# KiCad board ergodonk_simple_zero.kicad_pcb
title: Ergodonk Zero; date: 2024-07-02; rev: 0.2.2
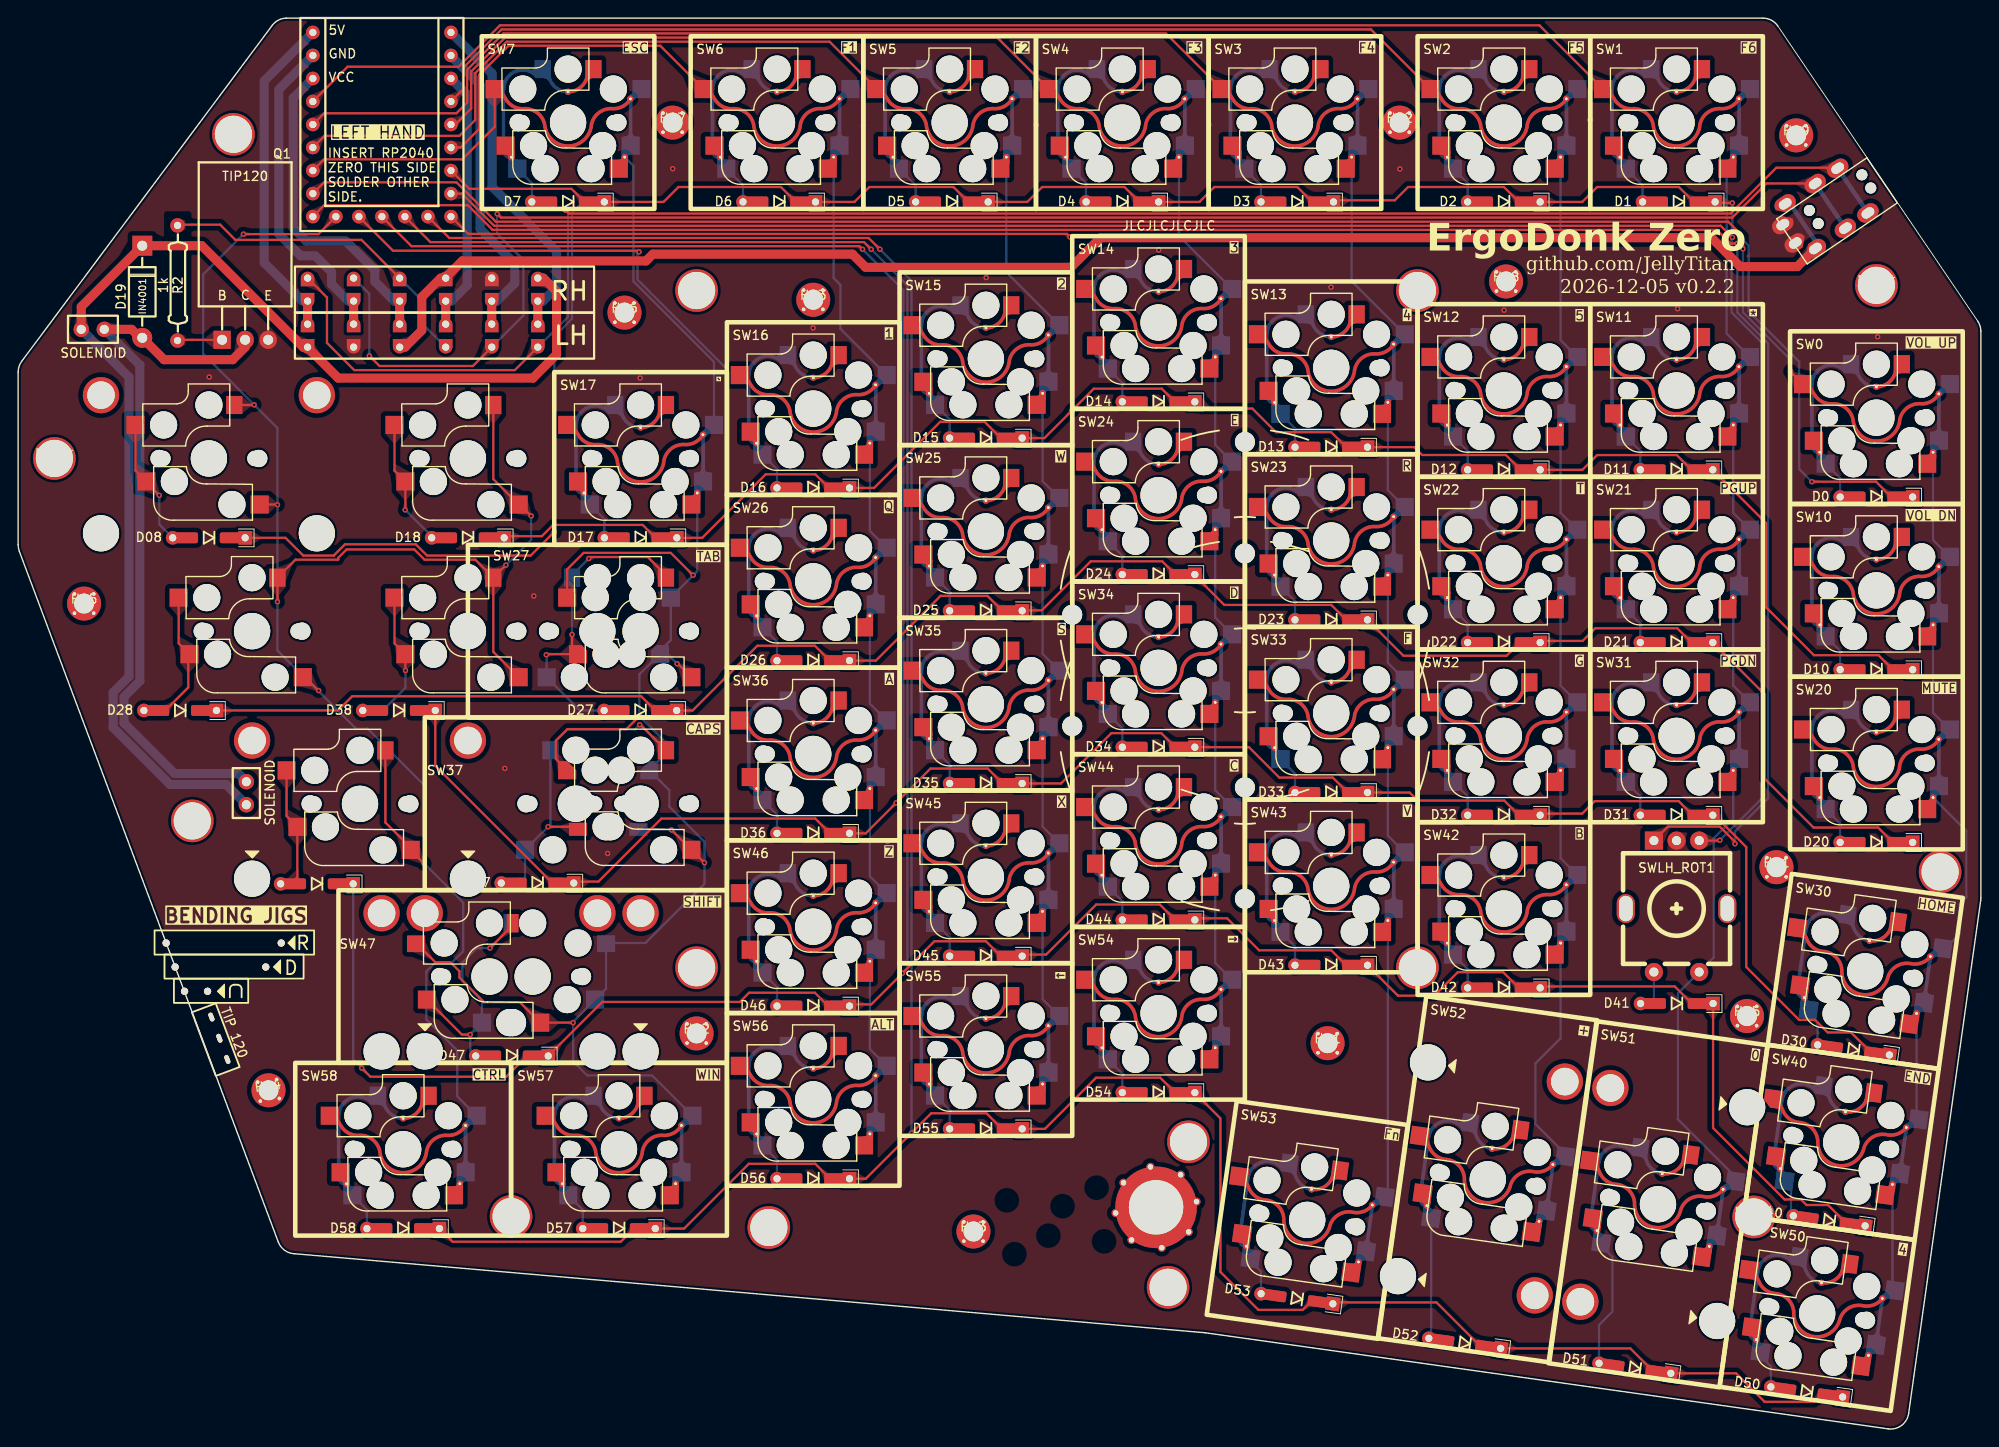
[diagram p0: board, top side]
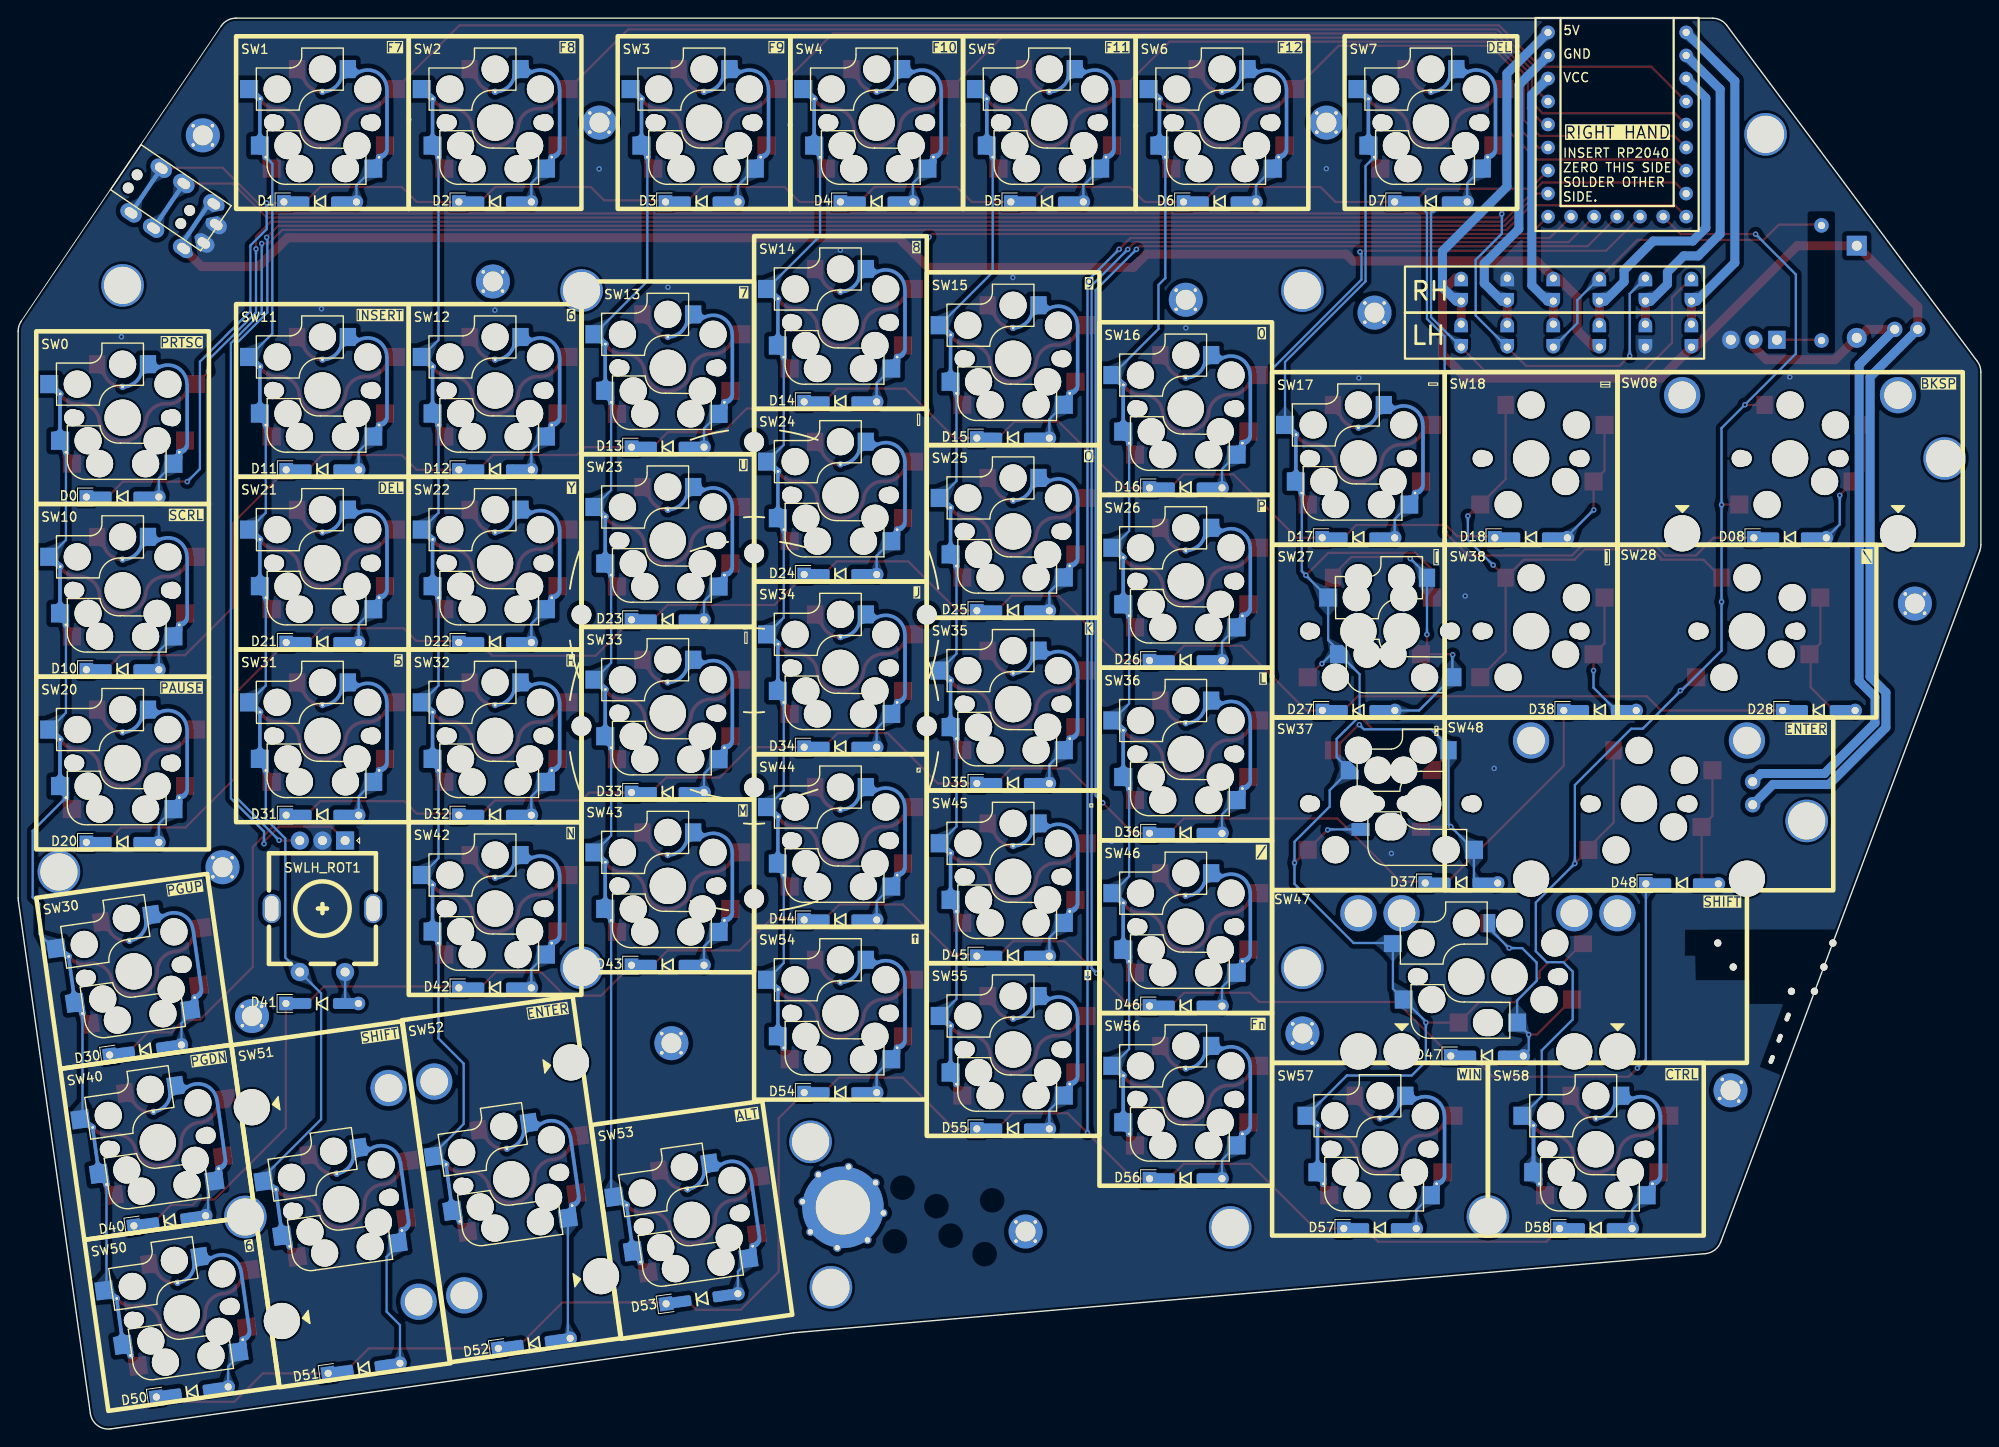
[diagram p1: board, bottom side, seen from below]

Outline 216.55 x 155.62 mm; copper layers: Top, Bottom. Coordinates in mm from the lower left corner of the outline.
Outline path: 216.55,58.57 216.55,121.07 arc(216.46,121.66) 216.21,122.19 194.16,154.74 arc(193.44,155.39) 192.5,155.62 29.64,155.62 arc(28.74,155.41) 28.03,154.82 0.4,117.77 arc(0.1,117.2) 0,116.57 0,97.52 arc(0.03,97.16) 0.13,96.82 28.7,20.62 arc(29.37,19.73) 30.4,19.33 130.98,10.6 206.32,0 arc(207.8,0.38) 208.58,1.7 216.53,58.29 arc(216.55,58.43) 216.55,58.57
Stack: Top 0.035mm / dielectric 1.51mm FR4 er 4.5 / Bottom 0.035mm

## Placement (name value [footprint] x y rotation side)
D0  D  [D_SOD-123_DO-35_Hybrid_DoubleSided_ergodonk_simple_zero]  205.02 102.8 180 top
D1  D  [D_SOD-123_DO-35_Hybrid_DoubleSided_ergodonk_simple_zero]  183.23 135.35 180 top
D2  D  [D_SOD-123_DO-35_Hybrid_DoubleSided_ergodonk_simple_zero]  163.93 135.35 180 top
D3  D  [D_SOD-123_DO-35_Hybrid_DoubleSided_ergodonk_simple_zero]  141.12 135.35 180 top
D4  D  [D_SOD-123_DO-35_Hybrid_DoubleSided_ergodonk_simple_zero]  121.83 135.35 180 top
D5  D  [D_SOD-123_DO-35_Hybrid_DoubleSided_ergodonk_simple_zero]  103.02 135.35 180 top
D6  D  [D_SOD-123_DO-35_Hybrid_DoubleSided_ergodonk_simple_zero]  83.97 135.35 180 top
D7  D  [D_SOD-123_DO-35_Hybrid_DoubleSided_ergodonk_simple_zero]  60.67 135.35 180 top
D08  D  [D_SOD-123_DO-35_Hybrid_DoubleSided_ergodonk_simple_zero]  21.05 98.3 180 top
D10  D  [D_SOD-123_DO-35_Hybrid_DoubleSided_ergodonk_simple_zero]  205.02 83.75 180 top
D11  D  [D_SOD-123_DO-35_Hybrid_DoubleSided_ergodonk_simple_zero]  182.98 105.8 180 top
D12  D  [D_SOD-123_DO-35_Hybrid_DoubleSided_ergodonk_simple_zero]  163.93 105.8 180 top
D13  D  [D_SOD-123_DO-35_Hybrid_DoubleSided_ergodonk_simple_zero]  144.88 108.3 180 top
D14  D  [D_SOD-123_DO-35_Hybrid_DoubleSided_ergodonk_simple_zero]  125.83 113.3 180 top
D15  D  [D_SOD-123_DO-35_Hybrid_DoubleSided_ergodonk_simple_zero]  106.77 109.3 180 top
D16  D  [D_SOD-123_DO-35_Hybrid_DoubleSided_ergodonk_simple_zero]  87.72 103.8 180 top
D17  D  [D_SOD-123_DO-35_Hybrid_DoubleSided_ergodonk_simple_zero]  68.67 98.3 180 top
D18  D  [D_SOD-123_DO-35_Hybrid_DoubleSided_ergodonk_simple_zero]  49.62 98.3 180 top
D19  1N4004  [D_DO-41_SOD81_P10.16mm_Horizontal]  13.7 130.51 270 top
D20  D  [D_SOD-123_DO-35_Hybrid_DoubleSided_ergodonk_simple_zero]  205.02 64.7 180 top
D21  D  [D_SOD-123_DO-35_Hybrid_DoubleSided_ergodonk_simple_zero]  182.98 86.75 180 top
D22  D  [D_SOD-123_DO-35_Hybrid_DoubleSided_ergodonk_simple_zero]  163.93 86.75 180 top
D23  D  [D_SOD-123_DO-35_Hybrid_DoubleSided_ergodonk_simple_zero]  144.88 89.25 180 top
D24  D  [D_SOD-123_DO-35_Hybrid_DoubleSided_ergodonk_simple_zero]  125.83 94.25 180 top
D25  D  [D_SOD-123_DO-35_Hybrid_DoubleSided_ergodonk_simple_zero]  106.77 90.25 180 top
D26  D  [D_SOD-123_DO-35_Hybrid_DoubleSided_ergodonk_simple_zero]  87.72 84.75 180 top
D27  D  [D_SOD-123_DO-35_Hybrid_DoubleSided_ergodonk_simple_zero]  68.66 79.25 180 top
D28  D  [D_SOD-123_DO-35_Hybrid_DoubleSided_ergodonk_simple_zero]  17.88 79.25 180 top
D30  D  [D_SOD-123_DO-35_Hybrid_DoubleSided_ergodonk_simple_zero]  202.5 41.8 172 top
D31  D  [D_SOD-123_DO-35_Hybrid_DoubleSided_ergodonk_simple_zero]  182.98 67.7 180 top
D32  D  [D_SOD-123_DO-35_Hybrid_DoubleSided_ergodonk_simple_zero]  163.93 67.7 180 top
D33  D  [D_SOD-123_DO-35_Hybrid_DoubleSided_ergodonk_simple_zero]  144.88 70.2 180 top
D34  D  [D_SOD-123_DO-35_Hybrid_DoubleSided_ergodonk_simple_zero]  125.83 75.2 180 top
D35  D  [D_SOD-123_DO-35_Hybrid_DoubleSided_ergodonk_simple_zero]  106.77 71.2 180 top
D36  D  [D_SOD-123_DO-35_Hybrid_DoubleSided_ergodonk_simple_zero]  87.72 65.7 180 top
D37  D  [D_SOD-123_DO-35_Hybrid_DoubleSided_ergodonk_simple_zero]  57.3 60.21 180 top
D38  D  [D_SOD-123_DO-35_Hybrid_DoubleSided_ergodonk_simple_zero]  42.02 79.25 180 top
D40  D  [D_SOD-123_DO-35_Hybrid_DoubleSided_ergodonk_simple_zero]  199.82 22.95 172 top
D41  D  [D_SOD-123_DO-35_Hybrid_DoubleSided_ergodonk_simple_zero]  183 46.92 180 top
D42  D  [D_SOD-123_DO-35_Hybrid_DoubleSided_ergodonk_simple_zero]  163.93 48.65 180 top
D43  D  [D_SOD-123_DO-35_Hybrid_DoubleSided_ergodonk_simple_zero]  144.88 51.15 180 top
D44  D  [D_SOD-123_DO-35_Hybrid_DoubleSided_ergodonk_simple_zero]  125.83 56.15 180 top
D45  D  [D_SOD-123_DO-35_Hybrid_DoubleSided_ergodonk_simple_zero]  106.77 52.15 180 top
D46  D  [D_SOD-123_DO-35_Hybrid_DoubleSided_ergodonk_simple_zero]  87.72 46.65 180 top
D47  D  [D_SOD-123_DO-35_Hybrid_DoubleSided_ergodonk_simple_zero]  54.48 41.13 180 top
D48  D  [D_SOD-123_DO-35_Hybrid_DoubleSided_ergodonk_simple_zero]  32.97 60.12 180 top
D50  D  [D_SOD-123_DO-35_Hybrid_DoubleSided_ergodonk_simple_zero]  197.34 4.07 172 top
D51  D  [D_SOD-123_DO-35_Hybrid_DoubleSided_ergodonk_simple_zero]  178.38 6.68 172 top
D52  D  [D_SOD-123_DO-35_Hybrid_DoubleSided_ergodonk_simple_zero]  159.61 9.43 172 top
D53  D  [D_SOD-123_DO-35_Hybrid_DoubleSided_ergodonk_simple_zero]  141.09 14.35 172 top
D54  D  [D_SOD-123_DO-35_Hybrid_DoubleSided_ergodonk_simple_zero]  125.83 37.1 180 top
D55  D  [D_SOD-123_DO-35_Hybrid_DoubleSided_ergodonk_simple_zero]  106.77 33.1 180 top
D56  D  [D_SOD-123_DO-35_Hybrid_DoubleSided_ergodonk_simple_zero]  87.72 27.6 180 top
D57  D  [D_SOD-123_DO-35_Hybrid_DoubleSided_ergodonk_simple_zero]  66.29 22.1 180 top
D58  D  [D_SOD-123_DO-35_Hybrid_DoubleSided_ergodonk_simple_zero]  42.48 22.1 180 top
H1  MountingHole  [Hole from sofle for M2 posts gold rimmer]  154.38 125.57 180 top
H2  MountingHole  [Hole from sofle for M2 posts gold rimmer]  154.38 50.87 0 top
H3  MountingHole  [Hole from sofle for M2 posts gold rimmer]  74.86 50.87 0 top
H4  MountingHole  [M2 Standoff hole - keyplate passthrough]  74.86 125.57 0 top
H5  MountingHole  [Hole from sofle for M2 posts gold rimmer]  191.49 23.38 0 top
H6  MountingHole  [Hole from sofle for M2 posts gold rimmer]  205.02 126.14 0 top
H7  MountingHole  [Hole from sofle for M2 posts gold rimmer]  126.87 15.61 0 top
H8  MountingHole  [Hole from sofle for M2 posts gold rimmer]  23.75 142.8 0 top
H8#2  MountingHole  [Hole from sofle for M2 posts gold rimmer]  129.12 31.66 0 top
H9  MountingHole  [Hole from sofle for M2 posts gold rimmer]  54.39 23.42 0 top
H10  MountingHole  [Hole from sofle for M2 posts gold rimmer]  212.05 61.44 0 top
H11  MountingHole  [M2_Hole_fancy_for_bolt-on-plate]  144.47 42.54 0 top
H12  MountingHole  [M2_Hole_fancy_for_bolt-on-plate]  74.86 43.62 0 top
H13  MountingHole  [M2_Hole_fancy_for_bolt-on-plate]  105.4 21.77 0 top
H14  MountingHole  [M2_Hole_fancy_for_bolt-on-plate]  27.62 37.35 8 top
H15  MountingHole  [M2_Hole_fancy_for_bolt-on-plate]  7.27 91.04 0 top
H16  MountingHole  [M2_Hole_fancy_for_bolt-on-plate]  66.9 123.14 0 top
H17  MountingHole  [M2_Hole_fancy_for_bolt-on-plate]  72.2 144.1 0 top
H18  MountingHole  [M2_Hole_fancy_for_bolt-on-plate]  164.17 126.57 0 top
H19  MountingHole  [M2_Hole_fancy_for_bolt-on-plate]  196.18 142.69 0 top
H20  MountingHole  [M2 Standoff hole - keyplate passthrough]  19.21 67.06 0 top
H21  MountingHole  [M2_Hole_fancy_for_bolt-on-plate]  194 61.96 0 top
H22  MountingHole  [M2_Hole_fancy_for_bolt-on-plate]  152.42 144.1 0 top
H23  MountingHole  [M2_Hole_fancy_for_bolt-on-plate]  87.72 124.55 0 top
H24  MountingHole  [M2 Standoff hole - keyplate passthrough]  4 107.05 0 top
H25  MountingHole  [M2_Hole_fancy_for_bolt-on-plate]  190.75 45.54 0 top
H26  MountingHole  [Hole from sofle for M2 posts gold rimmer]  82.83 22.21 0 top
J10  Conn_01x02_Socket  [PinHeader_1x02_P2.54mm_Vertical]  25.18 71.39 0 top
J11  4PIN  [MJ-4PP-9_TRRS_ds_jack]  205.64 137.72 304.1 top
J_SOL_1  Conn_01x02_Female  [PinHeader_1x02_P2.54mm_Vertical]  9.5 121.29 270 top
JP10  SolderJumper_3_Open  [Level Shifter Bypass Jumper simple_zero]  57.33 125.68 90 top
JP11  SolderJumper_3_Open  [Level Shifter Bypass Jumper simple_zero]  52.25 125.68 90 top
JP12  SolderJumper_3_Open  [Level Shifter Bypass Jumper simple_zero]  47.17 125.68 90 top
JP13  SolderJumper_3_Open  [Level Shifter Bypass Jumper simple_zero]  31.94 120.6 270 top
JP14  SolderJumper_3_Open  [Level Shifter Bypass Jumper simple_zero]  37.02 120.6 270 top
JP15  SolderJumper_3_Open  [Level Shifter Bypass Jumper simple_zero]  42.09 120.6 270 top
MCU11  rp2040-zero  [rp2040 Zero simple_zero]  40.14 143.7 0 top
NOREF  -  [aebc129b-54c1-4185-b0a4-2690ab93c2e9]  158.44 39.23 82 bottom
NOREF#2  -  [aebc129b-54c1-4185-b0a4-2690ab93c2e9]  184.54 13.09 262 bottom
Q1  TIP120  [TO-220-3_Horizontal_TabDown_ergodonk_simple_zero]  22.5 120.14 0 top
R2  1k  [R_Axial_DIN0309_L9.0mm_D3.2mm_P12.70mm_Horizontal]  17.59 120.05 90 top
REF**  -  [tip120_bending_jig]  22.2 43.09 290.6 top
REF**#2  -  [STAB_MX_P_2u]  56.77 49.9 0 top
REF**#3  -  [jig-resistor]  16.33 53.59 0 top
REF**#4  -  [ErgoDonk Zero LH MCU Cover]  4 107.05 0 top
REF**#5  -  [STAB_MX_P_2u]  37.72 68.95 0 top
REF**#6  -  [jig-jumper]  18.36 48.27 0 top
REF**#7  -  [ErgoDonk Zero Keyplate]  205.02 126.14 0 top
REF**#8  Tenting Puck  [Tenting_Puck]  135.35 77.53 0 top
REF**#9  -  [STAB_MX_P_2u]  162.07 27.49 262 top
REF**#10  -  [Solenoid Plate]  82.83 22.14 0 top
REF**#11  -  [jig-diode]  17.32 50.95 0 top
REF**#12  -  [STAB_MX_P_2u]  180.94 24.84 82 top
REF**#13  -  [ErgoDonk_Zero_Bottom_Plate_PCB]  191.49 23.38 0 top
REF**#14  -  [Solenoid wire hole]  125.55 24.44 8 top
REF**#15  Tenting Puck  [Tenting_Puck]  135.35 89.81 0 top
REF**#16  -  [STAB_MX_P_2u]  52.01 49.9 180 bottom
REF**#17  -  [STAB_MX_P_2u]  21.05 107.05 180 bottom
S1  Solenoid  [uxcell a14092600ux0438 solenoid]  114.45 22.94 8 top
SW0  SW_PUSH_LED  [CherryMX_Choc_Hotswap_ergodonk_simple_zero_DS]  205.02 111.55 180 top
SW1  SW_PUSH_LED  [CherryMX_Choc_Hotswap_ergodonk_simple_zero_DS]  182.98 144.1 180 top
SW2  SW_PUSH_LED  [CherryMX_Choc_Hotswap_ergodonk_simple_zero_DS]  163.93 144.1 180 top
SW3  SW_PUSH_LED  [CherryMX_Choc_Hotswap_ergodonk_simple_zero_DS]  140.88 144.1 180 top
SW4  SW_PUSH_LED  [CherryMX_Choc_Hotswap_ergodonk_simple_zero_DS]  121.83 144.1 180 top
SW5  SW_PUSH_LED  [CherryMX_Choc_Hotswap_ergodonk_simple_zero_DS]  102.77 144.1 180 top
SW6  SW_PUSH_LED  [CherryMX_Choc_Hotswap_ergodonk_simple_zero_DS]  83.72 144.1 180 top
SW7  SW_PUSH_LED  [CherryMX_Choc_Hotswap_ergodonk_simple_zero_DS]  60.67 144.1 180 top
SW08  SW_PUSH_LED  [CherryMX_Choc_Hotswap_ergodonk_simple_zero_SS_2U]  21.05 107.05 0 top
SW10  SW_PUSH_LED  [CherryMX_Choc_Hotswap_ergodonk_simple_zero_DS]  205.02 92.5 180 top
SW11  SW_PUSH_LED  [CherryMX_Choc_Hotswap_ergodonk_simple_zero_DS]  182.98 114.55 180 top
SW12  SW_PUSH_LED  [CherryMX_Choc_Hotswap_ergodonk_simple_zero_DS]  163.93 114.55 180 top
SW13  SW_PUSH_LED  [CherryMX_Choc_Hotswap_ergodonk_simple_zero_DS]  144.88 117.05 180 top
SW14  SW_PUSH_LED  [CherryMX_Choc_Hotswap_ergodonk_simple_zero_DS]  125.83 122.05 180 top
SW15  SW_PUSH_LED  [CherryMX_Choc_Hotswap_ergodonk_simple_zero_DS]  106.77 118.05 180 top
SW16  SW_PUSH_LED  [CherryMX_Choc_Hotswap_ergodonk_simple_zero_DS]  87.72 112.55 180 top
SW17  SW_PUSH_LED  [CherryMX_Choc_Hotswap_ergodonk_simple_zero_DS]  68.67 107.05 180 top
SW18  SW_PUSH_LED  [CherryMX_Choc_Hotswap_ergodonk_simple_zero_SS]  49.62 107.05 180 top
SW20  SW_PUSH_LED  [CherryMX_Choc_Hotswap_ergodonk_simple_zero_DS]  205.02 73.45 180 top
SW21  SW_PUSH_LED  [CherryMX_Choc_Hotswap_ergodonk_simple_zero_DS]  182.98 95.5 180 top
SW22  SW_PUSH_LED  [CherryMX_Choc_Hotswap_ergodonk_simple_zero_DS]  163.93 95.5 180 top
SW23  SW_PUSH_LED  [CherryMX_Choc_Hotswap_ergodonk_simple_zero_DS]  144.88 98 180 top
SW24  SW_PUSH_LED  [CherryMX_Choc_Hotswap_ergodonk_simple_zero_DS]  125.83 103 180 top
SW25  SW_PUSH_LED  [CherryMX_Choc_Hotswap_ergodonk_simple_zero_DS]  106.77 99 180 top
SW26  SW_PUSH_LED  [CherryMX_Choc_Hotswap_ergodonk_simple_zero_DS]  87.72 93.5 180 top
SW27  SW_PUSH_LED  [CherryMX_Choc_Hotswap_ergodonk_simple_zero_SS_1.5uLH_1uRH]  68.67 88 0 top
SW28  SW_PUSH_LED  [CherryMX_Choc_Hotswap_ergodonk_simple_zero_SS_1.5U]  25.81 88 0 top
SW30  SW_PUSH_LED  [CherryMX_Choc_Hotswap_ergodonk_simple_zero_DS]  203.79 50.47 172 top
SW31  SW_PUSH_LED  [CherryMX_Choc_Hotswap_ergodonk_simple_zero_DS]  182.98 76.45 180 top
SW32  SW_PUSH_LED  [CherryMX_Choc_Hotswap_ergodonk_simple_zero_DS]  163.93 76.45 180 top
SW33  SW_PUSH_LED  [CherryMX_Choc_Hotswap_ergodonk_simple_zero_DS]  144.88 78.95 180 top
SW34  SW_PUSH_LED  [CherryMX_Choc_Hotswap_ergodonk_simple_zero_DS]  125.83 83.95 180 top
SW35  SW_PUSH_LED  [CherryMX_Choc_Hotswap_ergodonk_simple_zero_DS]  106.77 79.95 180 top
SW36  SW_PUSH_LED  [CherryMX_Choc_Hotswap_ergodonk_simple_zero_DS]  87.72 74.45 180 top
SW37  SW_PUSH_LED  [CherryMX_Choc_Hotswap_ergodonk_simple_zero_SS_1.75uLH_1uRH]  68.67 68.96 0 top
SW38  SW_PUSH_LED  [CherryMX_Choc_Hotswap_ergodonk_simple_zero_SS]  49.62 88 180 top
SW40  SW_PUSH_LED  [CherryMX_Choc_Hotswap_ergodonk_simple_zero_DS_shave_corner]  201.14 31.6 172 top
SW42  SW_PUSH_LED  [CherryMX_Choc_Hotswap_ergodonk_simple_zero_DS]  163.93 57.4 180 top
SW43  SW_PUSH_LED  [CherryMX_Choc_Hotswap_ergodonk_simple_zero_DS]  144.88 59.9 180 top
SW44  SW_PUSH_LED  [CherryMX_Choc_Hotswap_ergodonk_simple_zero_DS]  125.83 64.9 180 top
SW45  SW_PUSH_LED  [CherryMX_Choc_Hotswap_ergodonk_simple_zero_DS]  106.77 60.9 180 top
SW46  SW_PUSH_LED  [CherryMX_Choc_Hotswap_ergodonk_simple_zero_DS]  87.72 55.4 180 top
SW47  SW_PUSH_LED  [CherryMX_Choc_Hotswap_ergodonk_simple_zero_SS_2.25uLH 2.75uRH]  56.77 50.57 0 top
SW48  SW_PUSH_LED  [CherryMX_Choc_Hotswap_ergodonk_simple_zero_SS_2.25U]  37.72 68.95 0 top
SW50  SW_PUSH_LED  [CherryMX_Choc_Hotswap_ergodonk_simple_zero_DS]  198.49 12.74 172 top
SW51  SW_PUSH_LED  [CherryMX_Choc_Hotswap_ergodonk_simple_zero_DS_2u_vert]  180.93 24.78 172 top
SW52  SW_PUSH_LED  [CherryMX_Choc_Hotswap_ergodonk_simple_zero_DS_2u_vert]  162.15 27.53 172 top
SW53  SW_PUSH_LED  [CherryMX_Choc_Hotswap_ergodonk_simple_zero_DS_1.25u_vert]  142.23 23.05 172 top
SW54  SW_PUSH_LED  [CherryMX_Choc_Hotswap_ergodonk_simple_zero_DS]  125.83 45.85 180 top
SW55  SW_PUSH_LED  [CherryMX_Choc_Hotswap_ergodonk_simple_zero_DS]  106.77 41.85 180 top
SW56  SW_PUSH_LED  [CherryMX_Choc_Hotswap_ergodonk_simple_zero_DS]  87.72 36.35 180 top
SW57  SW_PUSH_LED  [CherryMX_Choc_Hotswap_ergodonk_simple_zero_DS_1.25u]  66.29 30.85 180 top
SW58  SW_PUSH_LED  [CherryMX_Choc_Hotswap_ergodonk_simple_zero_DS_1.25u]  42.48 30.85 180 top
SWLH_ROT1  RotaryEncoder_Switch  [RotaryEncoder_EC11_ergodonk_variant]  182.98 57.4 270 bottom

## Library data of the parts
D0-D7 D08 D10-D18 D20-D28 D30-D38 D40-D48 D50-D58 = -: Description: Diode; Sim.Pins: 1=K 2=A
D19 = -: Description: 400V 1A General Purpose Rectifier Diode, DO-41; Sim.Device: D; Sim.Pins: 1=K 2=A
H1-H8 H8#2 H9-H26 = -: Description: Mounting Hole without connection
J10 = -: Description: Generic connector, single row, 01x02, script generated
J_SOL_1 = -: Description: Generic connector, single row, 01x02, script generated (kicad-library-utils/schlib/autogen/connector/)
JP10-JP15 = -: Description: Solder Jumper, 3-pole, open
Q1 = -: Description: 5A Ic, 60V Vce, Silicon Darlington Power NPN Transistor, TO-220
R2 = -: Description: Resistor, small symbol
SW0 = -: LH: VOL UP; RH: PRTSC
SW1 = -: LH: F6; RH: F7
SW2 = -: LH: F5; RH: F8
SW3 = -: LH: F4; RH: F9
SW4 = -: LH: F3; RH: F10
SW5 = -: LH: F2; RH: F11
SW6 = -: LH: F1; RH: F12
SW7 = -: LH: ESC; RH: DEL
SW08 = -: RH: BKSP
SW10 = -: LH: VOL DN; RH: SCRL
SW11 = -: LH: *; RH: INSERT
SW12 = -: LH: 5; RH: 6
SW13 = -: LH: 4; RH: 7
SW14 = -: LH: 3; RH: 8
SW15 = -: LH: 2; RH: 9
SW16 = -: LH: 1; RH: 0
SW17 = -: LH: `; RH: -
SW18 = -: RH: =
SW20 = -: LH: MUTE; RH: PAUSE
SW21 = -: LH: PGUP; RH: DEL
SW22 = -: LH: T; RH: Y
SW23 = -: LH: R; RH: U
SW24 = -: LH: E; RH: I
SW25 = -: LH: W; RH: O
SW26 = -: LH: Q; RH: P
SW27 = -: LH: TAB; RH: [
SW28 = -: RH: \
SW30 = -: LH: HOME; RH: PGUP
SW31 = -: LH: PGDN; RH: 5
SW32 = -: LH: G; RH: H
SW33 = -: LH: F; RH: I
SW34 = -: LH: D; RH: J
SW35 = -: LH: S; RH: K
SW36 = -: LH: A; RH: L
SW37 = -: LH: CAPS; RH: ;
SW38 = -: RH: ]
SW40 = -: LH: END; RH: PGDN
SW42 = -: LH: B; RH: N
SW43 = -: LH: V; RH: M
SW44 = -: LH: C; RH: ,
SW45 = -: LH: X; RH: .
SW46 = -: LH: Z; RH: /
SW47 = -: LH: SHIFT; RH: SHIFT
SW48 = -: RH: ENTER
SW50 = -: LH: 4; RH: 6
SW51 = -: LH: 0; RH: SHIFT
SW52 = -: LH: +; RH: ENTER
SW53 = -: LH: Fn; RH: ALT
SW54 = -: LH: →; RH: ↑
SW55 = -: LH: ←; RH: ↓
SW56 = -: LH: ALT; RH: Fn
SW57 = -: LH: WIN; RH: WIN
SW58 = -: LH: CTRL; RH: CTRL
SWLH_ROT1 = -: Description: Rotary encoder, dual channel, incremental quadrate outputs, with switch
